# EAGLE board Mk4 Final a Panel score (EAGLE 9.0.1), part 10 of 24
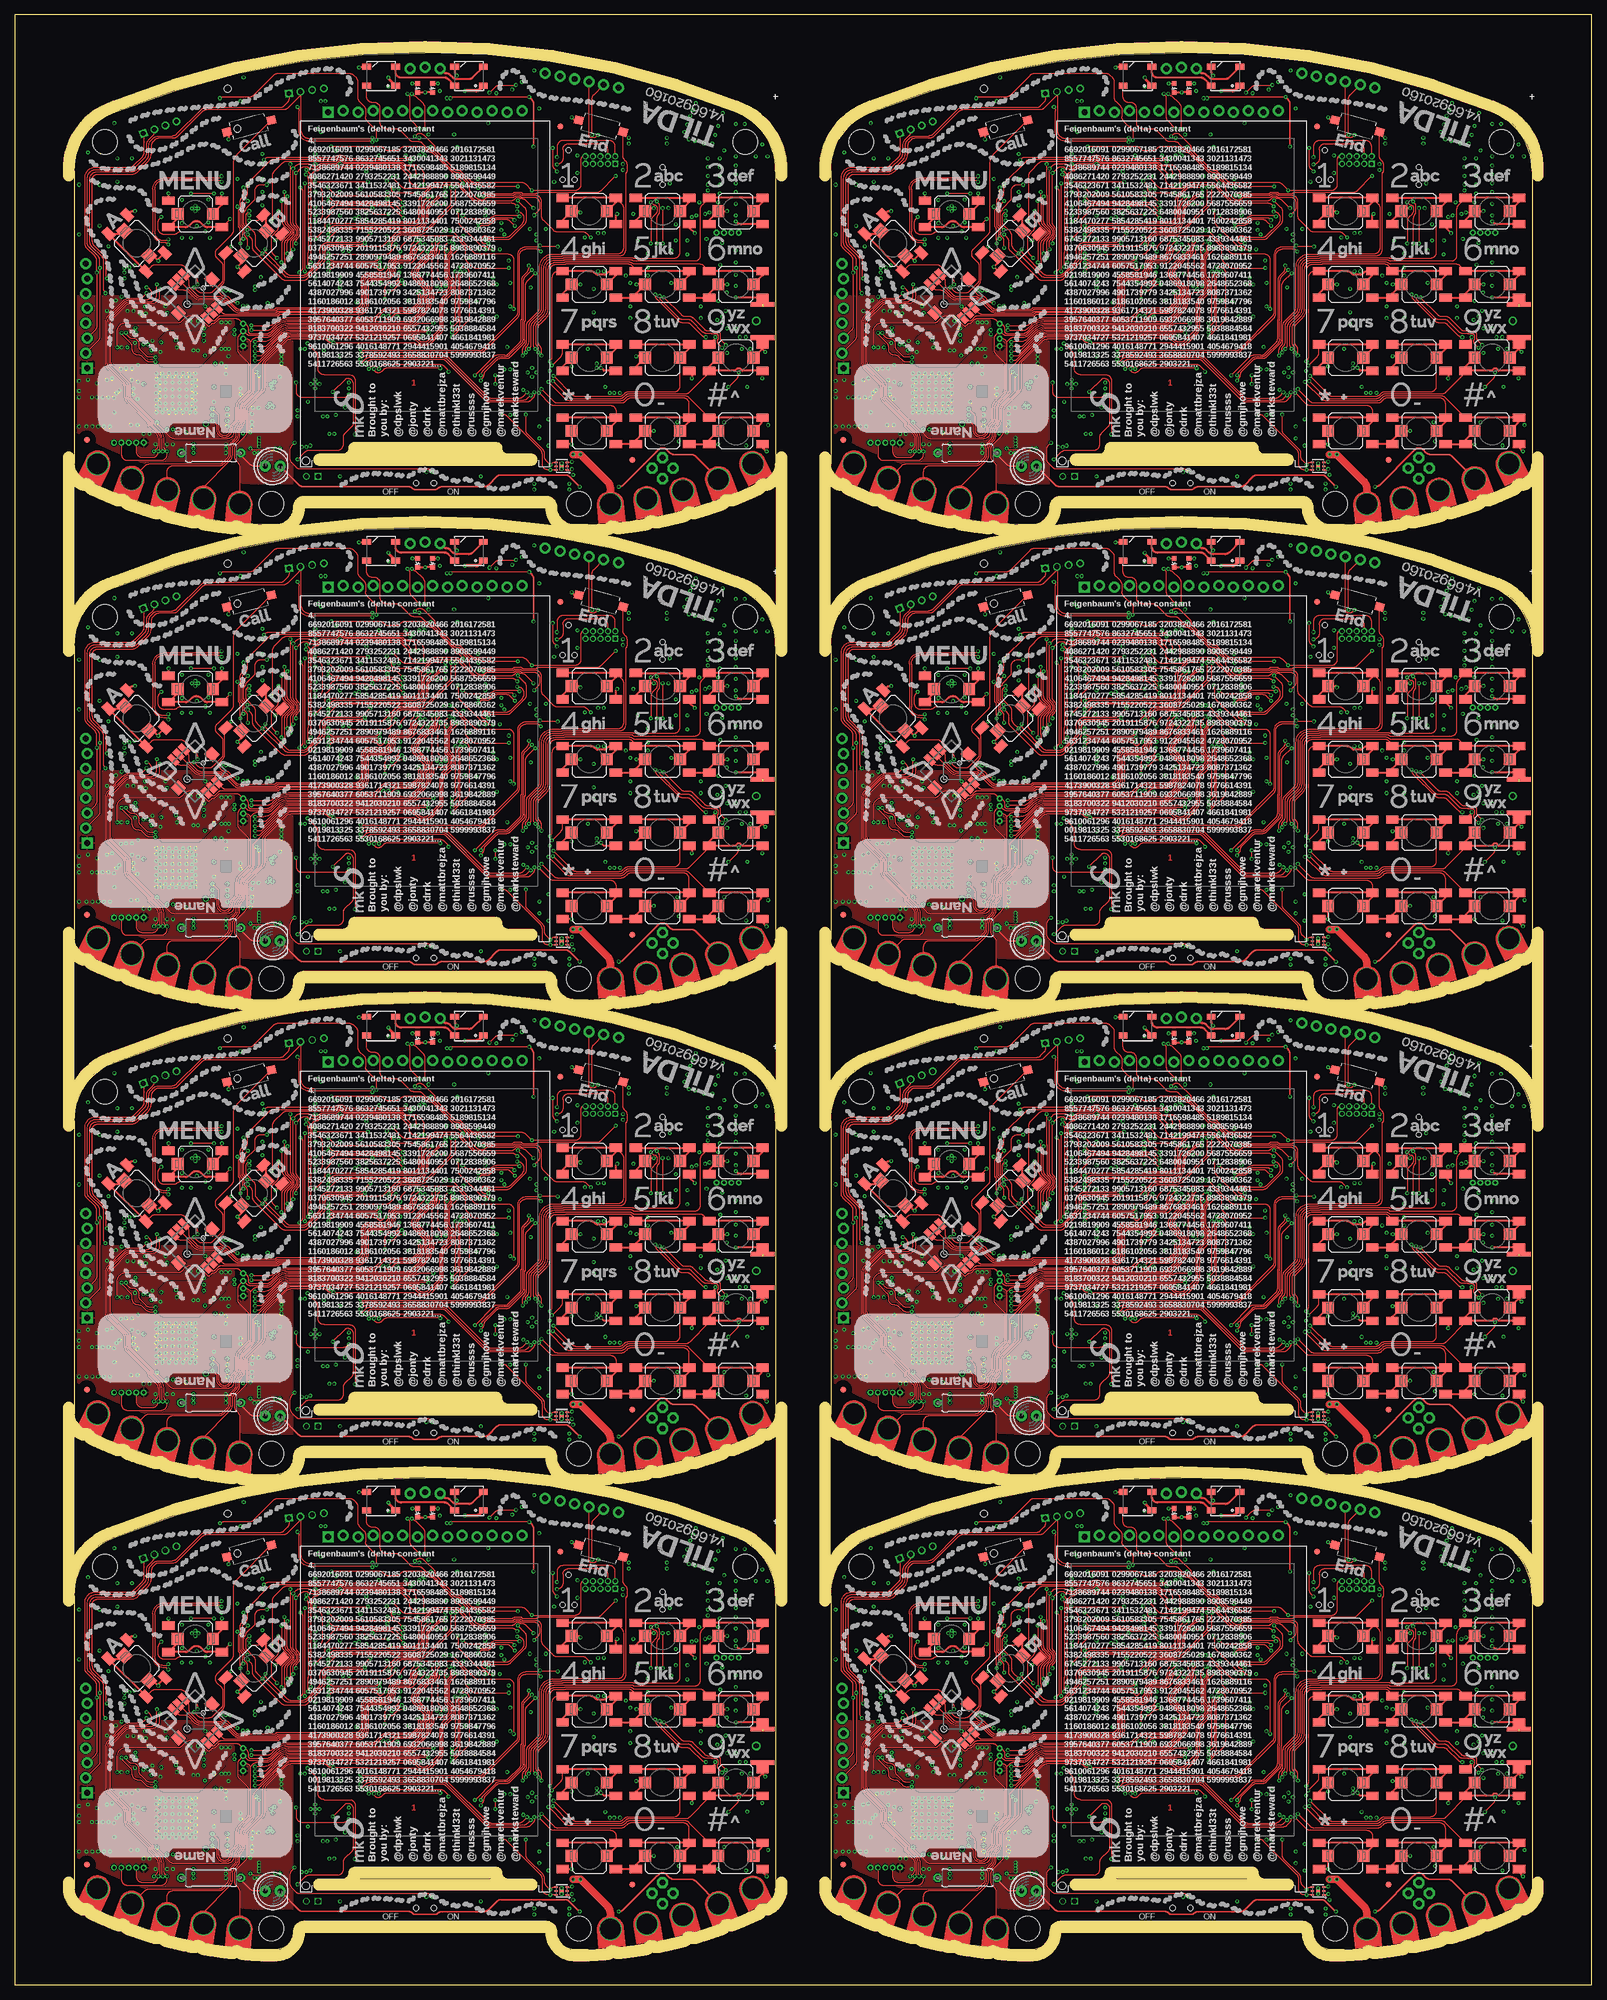
[diagram p0: board, top side]
## Tracks (layer width: path | path; a pad name or v marks a point on that pad's centre or on a via) (continued)
DCDC_PA_SW_N3 (continued)
  Bottom 0.25: IC65.41 156.75,115.29 arc-45 157.04,115.99 157.75,116.7
  Bottom 0.3: 157.75,116.7 157.75,116.76 158,117.01 158,119 158.1,119.1
  Bottom 0.5: 158.1,119.1 158.1,120.59 arc45 157.95,120.95 157.3,121.6 L35.1
DCDC_PA_SW_N4
  Bottom 0.25: IC83.41 27.75,196.29 arc-45 28.04,196.99 28.75,197.7
  Bottom 0.3: 28.75,197.7 28.75,197.76 29,198.01 29,200 29.1,200.1
  Bottom 0.5: 29.1,200.1 29.1,201.59 arc45 28.95,201.95 28.3,202.6 L44.1
DCDC_PA_SW_N5
  Bottom 0.25: IC101.41 156.75,196.29 arc-45 157.04,196.99 157.75,197.7
  Bottom 0.3: 157.75,197.7 157.75,197.76 158,198.01 158,200 158.1,200.1
  Bottom 0.5: 158.1,200.1 158.1,201.59 arc45 157.95,201.95 157.3,202.6 L53.1
DCDC_PA_SW_N6
  Bottom 0.25: IC119.41 27.75,277.29 arc-45 28.04,277.99 28.75,278.7
  Bottom 0.3: 28.75,278.7 28.75,278.76 29,279.01 29,281 29.1,281.1
  Bottom 0.5: 29.1,281.1 29.1,282.59 arc45 28.95,282.95 28.3,283.6 L62.1
DCDC_PA_SW_N7
  Bottom 0.25: IC137.41 156.75,277.29 arc-45 157.04,277.99 157.75,278.7
  Bottom 0.3: 157.75,278.7 157.75,278.76 158,279.01 158,281 158.1,281.1
  Bottom 0.5: 158.1,281.1 158.1,282.59 arc45 157.95,282.95 157.3,283.6 L71.1
DCDC_PA_SW_P
  Bottom 0.25: IC15.40 27.25,34.55 arc-45 27.54,35.26 28.25,35.97 28.45,36.17
  Bottom 0.4: L8.2 28.45,38.4 28.45,36.17
DCDC_PA_SW_P1
  Bottom 0.25: IC29.40 156.25,34.55 arc-45 156.54,35.26 157.25,35.97 157.45,36.17
  Bottom 0.4: L17.2 157.45,38.4 157.45,36.17
DCDC_PA_SW_P2
  Bottom 0.25: IC47.40 27.25,115.55 arc-45 27.54,116.26 28.25,116.97 28.45,117.17
  Bottom 0.4: L26.2 28.45,119.4 28.45,117.17
DCDC_PA_SW_P3
  Bottom 0.25: IC65.40 156.25,115.55 arc-45 156.54,116.26 157.25,116.97 157.45,117.17
  Bottom 0.4: L35.2 157.45,119.4 157.45,117.17
DCDC_PA_SW_P4
  Bottom 0.25: IC83.40 27.25,196.55 arc-45 27.54,197.26 28.25,197.97 28.45,198.17
  Bottom 0.4: L44.2 28.45,200.4 28.45,198.17
DCDC_PA_SW_P5
  Bottom 0.25: IC101.40 156.25,196.55 arc-45 156.54,197.26 157.25,197.97 157.45,198.17
  Bottom 0.4: L53.2 157.45,200.4 157.45,198.17
DCDC_PA_SW_P6
  Bottom 0.25: IC119.40 27.25,277.55 arc-45 27.54,278.26 28.25,278.97 28.45,279.17
  Bottom 0.4: L62.2 28.45,281.4 28.45,279.17
DCDC_PA_SW_P7
  Bottom 0.25: IC137.40 156.25,277.55 arc-45 156.54,278.26 157.25,278.97 157.45,279.17
  Bottom 0.4: L71.2 157.45,281.4 157.45,279.17
EN0RXI_N
  Bottom 0.22: IC1.53 61.41,60.8 61.4,60.81 59.1,60.81 arc-90 56.81,63.1 56.81,63.3 56.81,70.8 arc-90 60.2,74.19 66.3,74.19 arc90 67.22,75.1 67.22,75.6 JP7.6
EN0RXI_N1
  Bottom 0.22: IC20.53 190.42,60.8 190.4,60.81 188.1,60.81 arc-90 185.81,63.1 185.81,63.3 185.81,70.8 arc-90 189.2,74.19 195.3,74.19 arc90 196.22,75.1 196.22,75.6 JP12.6
EN0RXI_N2
  Bottom 0.22: IC38.53 61.41,141.8 61.4,141.81 59.1,141.81 arc-90 56.81,144.1 56.81,144.3 56.81,151.8 arc-90 60.2,155.19 66.3,155.19 arc90 67.22,156.1 67.22,156.6 JP21.6
EN0RXI_N3
  Bottom 0.22: IC56.53 190.42,141.8 190.4,141.81 188.1,141.81 arc-90 185.81,144.1 185.81,144.3 185.81,151.8 arc-90 189.2,155.19 195.3,155.19 arc90 196.22,156.1 196.22,156.6 JP30.6
EN0RXI_N4
  Bottom 0.22: IC74.53 61.41,222.8 61.4,222.81 59.1,222.81 arc-90 56.81,225.1 56.81,225.3 56.81,232.8 arc-90 60.2,236.19 66.3,236.19 arc90 67.22,237.1 67.22,237.6 JP39.6
EN0RXI_N5
  Bottom 0.22: IC92.53 190.42,222.8 190.4,222.81 188.1,222.81 arc-90 185.81,225.1 185.81,225.3 185.81,232.8 arc-90 189.2,236.19 195.3,236.19 arc90 196.22,237.1 196.22,237.6 JP48.6
EN0RXI_N6
  Bottom 0.22: IC110.53 61.41,303.8 61.4,303.81 59.1,303.81 arc-90 56.81,306.1 56.81,306.3 56.81,313.8 arc-90 60.2,317.19 66.3,317.19 arc90 67.22,318.1 67.22,318.6 JP57.6
EN0RXI_N7
  Bottom 0.22: IC128.53 190.42,303.8 190.4,303.81 188.1,303.81 arc-90 185.81,306.1 185.81,306.3 185.81,313.8 arc-90 189.2,317.19 195.3,317.19 arc90 196.22,318.1 196.22,318.6 JP66.6
EN0RXI_P
  Bottom 0.22: IC1.54 61.41,61.2 61.4,61.19 59.1,61.19 arc-90 57.19,63.1 57.19,63.28 57.19,63.3 57.19,70.8 arc-90 60.2,73.81 66.3,73.81 arc90 67.58,75.1 67.58,75.23 JP7.7
EN0RXI_P1
  Bottom 0.22: IC20.54 190.42,61.2 190.4,61.19 188.1,61.19 arc-90 186.19,63.1 186.19,63.28 186.19,63.3 186.19,70.8 arc-90 189.2,73.81 195.3,73.81 arc90 196.58,75.1 196.58,75.23 JP12.7
EN0RXI_P2
  Bottom 0.22: IC38.54 61.41,142.2 61.4,142.19 59.1,142.19 arc-90 57.19,144.1 57.19,144.28 57.19,144.3 57.19,151.8 arc-90 60.2,154.81 66.3,154.81 arc90 67.58,156.1 67.58,156.23 JP21.7
EN0RXI_P3
  Bottom 0.22: IC56.54 190.42,142.2 190.4,142.19 188.1,142.19 arc-90 186.19,144.1 186.19,144.28 186.19,144.3 186.19,151.8 arc-90 189.2,154.81 195.3,154.81 arc90 196.58,156.1 196.58,156.23 JP30.7
EN0RXI_P4
  Bottom 0.22: IC74.54 61.41,223.2 61.4,223.19 59.1,223.19 arc-90 57.19,225.1 57.19,225.28 57.19,225.3 57.19,232.8 arc-90 60.2,235.81 66.3,235.81 arc90 67.58,237.1 67.58,237.23 JP39.7
EN0RXI_P5
  Bottom 0.22: IC92.54 190.42,223.2 190.4,223.19 188.1,223.19 arc-90 186.19,225.1 186.19,225.28 186.19,225.3 186.19,232.8 arc-90 189.2,235.81 195.3,235.81 arc90 196.58,237.1 196.58,237.23 JP48.7
EN0RXI_P6
  Bottom 0.22: IC110.54 61.41,304.2 61.4,304.19 59.1,304.19 arc-90 57.19,306.1 57.19,306.28 57.19,306.3 57.19,313.8 arc-90 60.2,316.81 66.3,316.81 arc90 67.58,318.1 67.58,318.23 JP57.7
EN0RXI_P7
  Bottom 0.22: IC128.54 190.42,304.2 190.4,304.19 188.1,304.19 arc-90 186.19,306.1 186.19,306.28 186.19,306.3 186.19,313.8 arc-90 189.2,316.81 195.3,316.81 arc90 196.58,318.1 196.58,318.23 JP66.7
EN0TXO_N
  Bottom 0.22: IC1.56 61.41,62 61.4,62.02 59.25,62.02 arc-90 57.87,63.4 57.87,70.45 arc-90 60.6,73.19 66.61,73.19 arc45 67.32,73.48 68.53,74.69 arc-45 69.24,74.98 76.36,74.98 arc-45 77.07,74.69 78.03,73.73 arc45 78.74,73.44 81.15,73.44 arc90 82.52,74.8 82.52,75.54 JP7.12
EN0TXO_N1
  Bottom 0.22: IC20.56 190.42,62 190.4,62.02 188.25,62.02 arc-90 186.87,63.4 186.87,70.45 arc-90 189.6,73.19 195.61,73.19 arc45 196.32,73.48 197.53,74.69 arc-45 198.24,74.98 205.36,74.98 arc-45 206.07,74.69 207.03,73.73 arc45 207.74,73.44 210.15,73.44 arc90 211.51,74.8 211.51,75.54 JP12.12
EN0TXO_N2
  Bottom 0.22: IC38.56 61.41,143 61.4,143.01 59.25,143.01 arc-90 57.87,144.4 57.87,151.45 arc-90 60.6,154.19 66.61,154.19 arc45 67.32,154.48 68.53,155.69 arc-45 69.24,155.99 76.36,155.99 arc-45 77.07,155.69 78.03,154.73 arc45 78.74,154.44 81.15,154.44 arc90 82.52,155.8 82.52,156.54 JP21.12
EN0TXO_N3
  Bottom 0.22: IC56.56 190.42,143 190.4,143.01 188.25,143.01 arc-90 186.87,144.4 186.87,151.45 arc-90 189.6,154.19 195.61,154.19 arc45 196.32,154.48 197.53,155.69 arc-45 198.24,155.99 205.36,155.99 arc-45 206.07,155.69 207.03,154.73 arc45 207.74,154.44 210.15,154.44 arc90 211.51,155.8 211.51,156.54 JP30.12
EN0TXO_N4
  Bottom 0.22: IC74.56 61.41,224 61.4,224.01 59.25,224.01 arc-90 57.87,225.4 57.87,232.45 arc-90 60.6,235.19 66.61,235.19 arc45 67.32,235.48 68.53,236.69 arc-45 69.24,236.99 76.36,236.99 arc-45 77.07,236.69 78.03,235.73 arc45 78.74,235.44 81.15,235.44 arc90 82.52,236.8 82.52,237.54 JP39.12
EN0TXO_N5
  Bottom 0.22: IC92.56 190.42,224 190.4,224.01 188.25,224.01 arc-90 186.87,225.4 186.87,232.45 arc-90 189.6,235.19 195.61,235.19 arc45 196.32,235.48 197.53,236.69 arc-45 198.24,236.99 205.36,236.99 arc-45 206.07,236.69 207.03,235.73 arc45 207.74,235.44 210.15,235.44 arc90 211.51,236.8 211.51,237.54 JP48.12
EN0TXO_N6
  Bottom 0.22: IC110.56 61.41,305 61.4,305.01 59.25,305.01 arc-90 57.87,306.4 57.87,313.45 arc-90 60.6,316.19 66.61,316.19 arc45 67.32,316.48 68.53,317.69 arc-45 69.24,317.99 76.36,317.99 arc-45 77.07,317.69 78.03,316.73 arc45 78.74,316.44 81.15,316.44 arc90 82.52,317.8 82.52,318.54 JP57.12
EN0TXO_N7
  Bottom 0.22: IC128.56 190.42,305 190.4,305.01 188.25,305.01 arc-90 186.87,306.4 186.87,313.45 arc-90 189.6,316.19 195.61,316.19 arc45 196.32,316.48 197.53,317.69 arc-45 198.24,317.99 205.36,317.99 arc-45 206.07,317.69 207.03,316.73 arc45 207.74,316.44 210.15,316.44 arc90 211.51,317.8 211.51,318.54 JP66.12
EN0TXO_P
  Bottom 0.22: IC1.57 61.41,62.4 61.4,62.38 59.25,62.38 arc-90 58.23,63.4 58.23,63.9 58.23,64 58.23,64.08 58.23,70.45 arc-90 60.6,72.81 66.76,72.81 arc45 67.47,73.11 68.68,74.32 arc-45 69.39,74.61 76.21,74.61 arc-45 76.92,74.32 77.88,73.36 arc45 78.59,73.06 81.15,73.06 arc90 82.89,74.8 82.89,75.29 JP7.13
EN0TXO_P1
  Bottom 0.22: IC20.57 190.42,62.4 190.4,62.38 188.25,62.38 arc-90 187.24,63.4 187.24,63.9 187.24,64 187.24,64.08 187.24,70.45 arc-90 189.6,72.81 195.76,72.81 arc45 196.47,73.11 197.68,74.32 arc-45 198.39,74.61 205.21,74.61 arc-45 205.92,74.32 206.88,73.36 arc45 207.59,73.06 210.15,73.06 arc90 211.88,74.8 211.88,75.29 JP12.13
EN0TXO_P2
  Bottom 0.22: IC38.57 61.41,143.4 61.4,143.38 59.25,143.38 arc-90 58.23,144.4 58.23,144.9 58.23,145 58.23,145.08 58.23,151.45 arc-90 60.6,153.81 66.76,153.81 arc45 67.47,154.11 68.68,155.32 arc-45 69.39,155.62 76.21,155.62 arc-45 76.92,155.32 77.88,154.36 arc45 78.59,154.06 81.15,154.06 arc90 82.89,155.8 82.89,156.29 JP21.13
EN0TXO_P3
  Bottom 0.22: IC56.57 190.42,143.4 190.4,143.38 188.25,143.38 arc-90 187.24,144.4 187.24,144.9 187.24,145 187.24,145.08 187.24,151.45 arc-90 189.6,153.81 195.76,153.81 arc45 196.47,154.11 197.68,155.32 arc-45 198.39,155.62 205.21,155.62 arc-45 205.92,155.32 206.88,154.36 arc45 207.59,154.06 210.15,154.06 arc90 211.88,155.8 211.88,156.29 JP30.13
EN0TXO_P4
  Bottom 0.22: IC74.57 61.41,224.4 61.4,224.38 59.25,224.38 arc-90 58.23,225.4 58.23,225.9 58.23,226 58.23,226.08 58.23,232.45 arc-90 60.6,234.81 66.76,234.81 arc45 67.47,235.11 68.68,236.32 arc-45 69.39,236.62 76.21,236.62 arc-45 76.92,236.32 77.88,235.36 arc45 78.59,235.06 81.15,235.06 arc90 82.89,236.8 82.89,237.29 JP39.13
EN0TXO_P5
  Bottom 0.22: IC92.57 190.42,224.4 190.4,224.38 188.25,224.38 arc-90 187.24,225.4 187.24,225.9 187.24,226 187.24,226.08 187.24,232.45 arc-90 189.6,234.81 195.76,234.81 arc45 196.47,235.11 197.68,236.32 arc-45 198.39,236.62 205.21,236.62 arc-45 205.92,236.32 206.88,235.36 arc45 207.59,235.06 210.15,235.06 arc90 211.88,236.8 211.88,237.29 JP48.13
EN0TXO_P6
  Bottom 0.22: IC110.57 61.41,305.4 61.4,305.38 59.25,305.38 arc-90 58.23,306.4 58.23,306.9 58.23,307 58.23,307.08 58.23,313.45 arc-90 60.6,315.81 66.76,315.81 arc45 67.47,316.11 68.68,317.32 arc-45 69.39,317.62 76.21,317.62 arc-45 76.92,317.32 77.88,316.36 arc45 78.59,316.06 81.15,316.06 arc90 82.89,317.8 82.89,318.29 JP57.13
EN0TXO_P7
  Bottom 0.22: IC128.57 190.42,305.4 190.4,305.38 188.25,305.38 arc-90 187.24,306.4 187.24,306.9 187.24,307 187.24,307.08 187.24,313.45 arc-90 189.6,315.81 195.76,315.81 arc45 196.47,316.11 197.68,317.32 arc-45 198.39,317.62 205.21,317.62 arc-45 205.92,317.32 206.88,316.36 arc45 207.59,316.06 210.15,316.06 arc90 211.88,317.8 211.88,318.29 JP66.13
ETHLED0
  Bottom 0.15: R1.2 54.5,72.51 arc45 54.79,71.81 55.51,71.09 arc-45 55.8,70.39 55.8,67.94 55.89,67.85 arc-90 55.89,67.15 55.8,67.06 55.8,63.19 55.89,63.1 arc-90 55.89,62.4 55.8,62.31 55.8,60.11 arc45 56.09,59.41 56.61,58.89 arc-45 56.9,58.19 56.9,57.4 arc90 57.9,56.4 IC1.42
ETHLED0_R
  Bottom 0.15: R1.1 arc-90 55.5,75 57.09,75 arc45 57.79,75.29 58.57,76.07 JP7.3
ETHLED0_R1
  Bottom 0.15: R85.1 arc-90 184.5,75 186.09,75 arc45 186.79,75.29 187.57,76.07 JP12.3
ETHLED0_R2
  Bottom 0.15: R163.1 arc-90 55.5,156 57.09,156 arc45 57.79,156.29 58.57,157.07 JP21.3
ETHLED0_R3
  Bottom 0.15: R241.1 arc-90 184.5,156 186.09,156 arc45 186.79,156.29 187.57,157.07 JP30.3
ETHLED0_R4
  Bottom 0.15: R319.1 arc-90 55.5,237 57.09,237 arc45 57.79,237.29 58.57,238.07 JP39.3
ETHLED0_R5
  Bottom 0.15: R397.1 arc-90 184.5,237 186.09,237 arc45 186.79,237.29 187.57,238.07 JP48.3
ETHLED0_R6
  Bottom 0.15: R475.1 arc-90 55.5,318 57.09,318 arc45 57.79,318.29 58.57,319.07 JP57.3
ETHLED0_R7
  Bottom 0.15: R553.1 arc-90 184.5,318 186.09,318 arc45 186.79,318.29 187.57,319.07 JP66.3
ETHLED1
  Bottom 0.15: R2.2 55.5,72.01 arc45 55.79,71.31 55.81,71.29 arc-45 56.1,70.59 56.1,68.07 56.14,68.03 arc-90 56.14,66.97 56.1,66.93 56.1,63.32 56.14,63.28 arc-90 56.14,62.22 56.1,62.18 56.1,60.31 arc45 56.39,59.61 57.01,58.99 arc-45 57.3,58.29 57.3,57.8 arc90 58.3,56.8 IC1.43
ETHLED1_R
  Bottom 0.15: R2.1 55.5,74.2 arc-90 56,74.7 57.42,74.7 arc45 57.77,74.85 57.78,74.85 arc-45 58.13,75 62.09,75 arc45 62.79,75.29 63.65,76.15 JP7.5
ETHLED1_R1
  Bottom 0.15: R86.1 184.5,74.2 arc-90 185,74.7 186.42,74.7 arc45 186.77,74.85 186.78,74.85 arc-45 187.13,75 191.09,75 arc45 191.79,75.29 192.65,76.15 JP12.5
ETHLED1_R2
  Bottom 0.15: R164.1 55.5,155.2 arc-90 56,155.7 57.42,155.7 arc45 57.77,155.85 57.78,155.85 arc-45 58.13,156 62.09,156 arc45 62.79,156.29 63.65,157.15 JP21.5
ETHLED1_R3
  Bottom 0.15: R242.1 184.5,155.2 arc-90 185,155.7 186.42,155.7 arc45 186.77,155.85 186.78,155.85 arc-45 187.13,156 191.09,156 arc45 191.79,156.29 192.65,157.15 JP30.5
ETHLED1_R4
  Bottom 0.15: R320.1 55.5,236.2 arc-90 56,236.7 57.42,236.7 arc45 57.77,236.85 57.78,236.85 arc-45 58.13,237 62.09,237 arc45 62.79,237.29 63.65,238.15 JP39.5
ETHLED1_R5
  Bottom 0.15: R398.1 184.5,236.2 arc-90 185,236.7 186.42,236.7 arc45 186.77,236.85 186.78,236.85 arc-45 187.13,237 191.09,237 arc45 191.79,237.29 192.65,238.15 JP48.5
ETHLED1_R6
  Bottom 0.15: R476.1 55.5,317.2 arc-90 56,317.7 57.42,317.7 arc45 57.77,317.85 57.78,317.85 arc-45 58.13,318 62.09,318 arc45 62.79,318.29 63.65,319.15 JP57.5
ETHLED1_R7
  Bottom 0.15: R554.1 184.5,317.2 arc-90 185,317.7 186.42,317.7 arc45 186.77,317.85 186.78,317.85 arc-45 187.13,318 191.09,318 arc45 191.79,318.29 192.65,319.15 JP66.5
ETHLED2
  Bottom 0.15: R85.2 183.5,72.51 arc45 183.79,71.81 184.51,71.09 arc-45 184.8,70.39 184.8,67.94 184.89,67.85 arc-90 184.89,67.15 184.8,67.06 184.8,63.19 184.89,63.1 arc-90 184.89,62.4 184.8,62.31 184.8,60.11 arc45 185.09,59.41 185.61,58.89 arc-45 185.9,58.19 185.9,57.4 arc90 186.9,56.4 IC20.42
ETHLED3
  Bottom 0.15: R86.2 184.5,72.01 arc45 184.79,71.31 184.81,71.29 arc-45 185.1,70.59 185.1,68.07 185.14,68.03 arc-90 185.14,66.97 185.1,66.93 185.1,63.32 185.14,63.28 arc-90 185.14,62.22 185.1,62.18 185.1,60.31 arc45 185.39,59.61 186.01,58.99 arc-45 186.3,58.29 186.3,57.8 arc90 187.3,56.8 IC20.43
ETHLED4
  Bottom 0.15: R163.2 54.5,153.51 arc45 54.79,152.81 55.51,152.09 arc-45 55.8,151.39 55.8,148.94 55.89,148.85 arc-90 55.89,148.15 55.8,148.06 55.8,144.19 55.89,144.1 arc-90 55.89,143.4 55.8,143.31 55.8,141.11 arc45 56.09,140.41 56.61,139.89 arc-45 56.9,139.19 56.9,138.4 arc90 57.9,137.4 IC38.42
ETHLED5
  Bottom 0.15: R164.2 55.5,153.01 arc45 55.79,152.31 55.81,152.29 arc-45 56.1,151.59 56.1,149.07 56.14,149.03 arc-90 56.14,147.97 56.1,147.93 56.1,144.32 56.14,144.28 arc-90 56.14,143.22 56.1,143.18 56.1,141.31 arc45 56.39,140.61 57.01,139.99 arc-45 57.3,139.29 57.3,138.8 arc90 58.3,137.8 IC38.43
ETHLED6
  Bottom 0.15: R241.2 183.5,153.51 arc45 183.79,152.81 184.51,152.09 arc-45 184.8,151.39 184.8,148.94 184.89,148.85 arc-90 184.89,148.15 184.8,148.06 184.8,144.19 184.89,144.1 arc-90 184.89,143.4 184.8,143.31 184.8,141.11 arc45 185.09,140.41 185.61,139.89 arc-45 185.9,139.19 185.9,138.4 arc90 186.9,137.4 IC56.42
ETHLED7
  Bottom 0.15: R242.2 184.5,153.01 arc45 184.79,152.31 184.81,152.29 arc-45 185.1,151.59 185.1,149.07 185.14,149.03 arc-90 185.14,147.97 185.1,147.93 185.1,144.32 185.14,144.28 arc-90 185.14,143.22 185.1,143.18 185.1,141.31 arc45 185.39,140.61 186.01,139.99 arc-45 186.3,139.29 186.3,138.8 arc90 187.3,137.8 IC56.43
ETHLED8
  Bottom 0.15: R319.2 54.5,234.51 arc45 54.79,233.81 55.51,233.09 arc-45 55.8,232.39 55.8,229.94 55.89,229.85 arc-90 55.89,229.15 55.8,229.06 55.8,225.19 55.89,225.1 arc-90 55.89,224.4 55.8,224.31 55.8,222.11 arc45 56.09,221.41 56.61,220.89 arc-45 56.9,220.19 56.9,219.4 arc90 57.9,218.4 IC74.42
ETHLED9
  Bottom 0.15: R320.2 55.5,234.01 arc45 55.79,233.31 55.81,233.29 arc-45 56.1,232.59 56.1,230.07 56.14,230.03 arc-90 56.14,228.97 56.1,228.93 56.1,225.32 56.14,225.28 arc-90 56.14,224.22 56.1,224.18 56.1,222.31 arc45 56.39,221.61 57.01,220.99 arc-45 57.3,220.29 57.3,219.8 arc90 58.3,218.8 IC74.43
ETHLED10
  Bottom 0.15: R397.2 183.5,234.51 arc45 183.79,233.81 184.51,233.09 arc-45 184.8,232.39 184.8,229.94 184.89,229.85 arc-90 184.89,229.15 184.8,229.06 184.8,225.19 184.89,225.1 arc-90 184.89,224.4 184.8,224.31 184.8,222.11 arc45 185.09,221.41 185.61,220.89 arc-45 185.9,220.19 185.9,219.4 arc90 186.9,218.4 IC92.42
ETHLED11
  Bottom 0.15: R398.2 184.5,234.01 arc45 184.79,233.31 184.81,233.29 arc-45 185.1,232.59 185.1,230.07 185.14,230.03 arc-90 185.14,228.97 185.1,228.93 185.1,225.32 185.14,225.28 arc-90 185.14,224.22 185.1,224.18 185.1,222.31 arc45 185.39,221.61 186.01,220.99 arc-45 186.3,220.29 186.3,219.8 arc90 187.3,218.8 IC92.43
ETHLED12
  Bottom 0.15: R475.2 54.5,315.51 arc45 54.79,314.81 55.51,314.09 arc-45 55.8,313.39 55.8,310.94 55.89,310.85 arc-90 55.89,310.15 55.8,310.06 55.8,306.19 55.89,306.1 arc-90 55.89,305.4 55.8,305.31 55.8,303.11 arc45 56.09,302.41 56.61,301.89 arc-45 56.9,301.19 56.9,300.4 arc90 57.9,299.4 IC110.42
ETHLED13
  Bottom 0.15: R476.2 55.5,315.01 arc45 55.79,314.31 55.81,314.29 arc-45 56.1,313.59 56.1,311.07 56.14,311.03 arc-90 56.14,309.97 56.1,309.93 56.1,306.32 56.14,306.28 arc-90 56.14,305.22 56.1,305.18 56.1,303.31 arc45 56.39,302.61 57.01,301.99 arc-45 57.3,301.29 57.3,300.8 arc90 58.3,299.8 IC110.43
ETHLED14
  Bottom 0.15: R553.2 183.5,315.51 arc45 183.79,314.81 184.51,314.09 arc-45 184.8,313.39 184.8,310.94 184.89,310.85 arc-90 184.89,310.15 184.8,310.06 184.8,306.19 184.89,306.1 arc-90 184.89,305.4 184.8,305.31 184.8,303.11 arc45 185.09,302.41 185.61,301.89 arc-45 185.9,301.19 185.9,300.4 arc90 186.9,299.4 IC128.42
ETHLED15
  Bottom 0.15: R554.2 184.5,315.01 arc45 184.79,314.31 184.81,314.29 arc-45 185.1,313.59 185.1,311.07 185.14,311.03 arc-90 185.14,309.97 185.1,309.93 185.1,306.32 185.14,306.28 arc-90 185.14,305.22 185.1,305.18 185.1,303.31 arc45 185.39,302.61 186.01,301.99 arc-45 186.3,301.29 186.3,300.8 arc90 187.3,299.8 IC128.43
FET
  Bottom 0.15: IC1.110 78.78,60 arc45 78.85,60.03 79.09,60.27 arc-45 79.17,60.3 81.58,60.3 arc-90 83.58,58.3 83.58,56.38 arc45 83.72,56.02 83.88,55.86 arc-45 84.03,55.51 84.03,55.25 arc45 84.32,54.54 93.23,45.63 arc-45 93.5,44.98 93.5,44
  Bottom 0.2: R59.1 113.41,19.25 arc-45 112.71,19.54 104.79,27.46 arc45 104.09,27.75 99.11,27.75 arc-45 98.41,28.04 93.79,32.66 arc-45 93.5,33.36 93.5,44
  Bottom 0.3: Q2.1 114.92,19.25 R59.1
FET1
  Bottom 0.15: IC20.110 207.78,60 arc45 207.85,60.03 208.09,60.27 arc-45 208.17,60.3 210.57,60.3 arc-90 212.57,58.3 212.57,56.38 arc45 212.72,56.02 212.88,55.86 arc-45 213.03,55.51 213.03,55.25 arc45 213.32,54.54 222.23,45.63 arc-45 222.5,44.98 222.5,44
  Bottom 0.2: R137.1 242.41,19.25 arc-45 241.71,19.54 233.79,27.46 arc45 233.09,27.75 228.11,27.75 arc-45 227.41,28.04 222.79,32.66 arc-45 222.5,33.36 222.5,44
  Bottom 0.3: Q5.1 243.93,19.25 R137.1
FET2
  Bottom 0.15: IC38.110 78.78,141 arc45 78.85,141.03 79.09,141.27 arc-45 79.17,141.3 81.58,141.3 arc-90 83.58,139.3 83.58,137.38 arc45 83.72,137.02 83.88,136.86 arc-45 84.03,136.51 84.03,136.25 arc45 84.32,135.54 93.23,126.63 arc-45 93.5,125.98 93.5,125
  Bottom 0.2: R215.1 113.41,100.25 arc-45 112.71,100.54 104.79,108.46 arc45 104.09,108.75 99.11,108.75 arc-45 98.41,109.04 93.79,113.66 arc-45 93.5,114.36 93.5,125
  Bottom 0.3: Q10.1 114.92,100.25 R215.1
FET3
  Bottom 0.15: IC56.110 207.78,141 arc45 207.85,141.03 208.09,141.27 arc-45 208.17,141.3 210.57,141.3 arc-90 212.57,139.3 212.57,137.38 arc45 212.72,137.02 212.88,136.86 arc-45 213.03,136.51 213.03,136.25 arc45 213.32,135.54 222.23,126.63 arc-45 222.5,125.98 222.5,125
  Bottom 0.2: R293.1 242.41,100.25 arc-45 241.71,100.54 233.79,108.46 arc45 233.09,108.75 228.11,108.75 arc-45 227.41,109.04 222.79,113.66 arc-45 222.5,114.36 222.5,125
  Bottom 0.3: Q14.1 243.93,100.25 R293.1
FET4
  Bottom 0.15: IC74.110 78.78,222 arc45 78.85,222.03 79.09,222.27 arc-45 79.17,222.3 81.58,222.3 arc-90 83.58,220.3 83.58,218.38 arc45 83.72,218.02 83.88,217.86 arc-45 84.03,217.51 84.03,217.25 arc45 84.32,216.54 93.23,207.63 arc-45 93.5,206.98 93.5,206
  Bottom 0.2: R371.1 113.41,181.25 arc-45 112.71,181.54 104.79,189.46 arc45 104.09,189.75 99.11,189.75 arc-45 98.41,190.04 93.79,194.66 arc-45 93.5,195.36 93.5,206
  Bottom 0.3: Q18.1 114.92,181.25 R371.1
FET5
  Bottom 0.15: IC92.110 207.78,222 arc45 207.85,222.03 208.09,222.27 arc-45 208.17,222.3 210.57,222.3 arc-90 212.57,220.3 212.57,218.38 arc45 212.72,218.02 212.88,217.86 arc-45 213.03,217.51 213.03,217.25 arc45 213.32,216.54 222.23,207.63 arc-45 222.5,206.98 222.5,206
  Bottom 0.2: R449.1 242.41,181.25 arc-45 241.71,181.54 233.79,189.46 arc45 233.09,189.75 228.11,189.75 arc-45 227.41,190.04 222.79,194.66 arc-45 222.5,195.36 222.5,206
  Bottom 0.3: Q22.1 243.93,181.25 R449.1
FET6
  Bottom 0.15: IC110.110 78.78,303 arc45 78.85,303.03 79.09,303.27 arc-45 79.17,303.3 81.58,303.3 arc-90 83.58,301.3 83.58,299.38 arc45 83.72,299.02 83.88,298.86 arc-45 84.03,298.51 84.03,298.25 arc45 84.32,297.54 93.23,288.63 arc-45 93.5,287.98 93.5,287
  Bottom 0.2: R527.1 113.41,262.25 arc-45 112.71,262.54 104.79,270.46 arc45 104.09,270.75 99.11,270.75 arc-45 98.41,271.04 93.79,275.66 arc-45 93.5,276.36 93.5,287
  Bottom 0.3: Q26.1 114.92,262.25 R527.1
FET7
  Bottom 0.15: IC128.110 207.78,303 arc45 207.85,303.03 208.09,303.27 arc-45 208.17,303.3 210.57,303.3 arc-90 212.57,301.3 212.57,299.38 arc45 212.72,299.02 212.88,298.86 arc-45 213.03,298.51 213.03,298.25 arc45 213.32,297.54 222.23,288.63 arc-45 222.5,287.98 222.5,287
  Bottom 0.2: R605.1 242.41,262.25 arc-45 241.71,262.54 233.79,270.46 arc45 233.09,270.75 228.11,270.75 arc-45 227.41,271.04 222.79,275.66 arc-45 222.5,276.36 222.5,287
  Bottom 0.3: Q30.1 243.93,262.25 R605.1
FET_OUT  (via drill 0.3)
  Top 0.25: LED5.K 48.45,12.82 arc45 49.16,12.53 67.11,12.53 arc-45 67.81,12.23 arc45 68.37,12 71.66,12 arc45 72.16,12.21 arc-45 72.87,12.5 80.09,12.5 arc45 80.79,12.79 82.21,14.21 arc-45 82.91,14.5 93.94,14.5 arc-45 94.64,14.21 v96.35,12.5 | v103,12.5 103.09,12.5 arc45 103.79,12.79 109.5,18.5 109.71,18.71 109.79,18.79 arc-90 111.21,18.79 111.71,18.29 arc45 112.41,18 115.4,18 arc-45 116.11,17.71 PCB.FET
  Bottom 0.25: v96.35,12.5 v103,12.5
  Bottom 0.4: Q2.3 116.92,17.3 arc45 117.22,16.59 118.91,14.91
  Bottom 0.5: 118.91,14.91 PCB.FET
FET_OUT1  (via drill 0.3)
  Top 0.25: LED11.K 177.45,12.82 arc45 178.16,12.53 196.11,12.53 arc-45 196.81,12.23 arc45 197.37,12 200.66,12 arc45 201.16,12.21 arc-45 201.87,12.5 209.09,12.5 arc45 209.79,12.79 211.21,14.21 arc-45 211.91,14.5 222.94,14.5 arc-45 223.64,14.21 v225.35,12.5 | v232,12.5 232.09,12.5 arc45 232.79,12.79 238.5,18.5 238.71,18.71 238.79,18.79 arc-90 240.21,18.79 240.71,18.29 arc45 241.41,18 244.4,18 arc-45 245.11,17.71 PCB1.FET
  Bottom 0.25: v225.35,12.5 v232,12.5
  Bottom 0.4: Q5.3 245.93,17.3 arc45 246.22,16.59 247.91,14.91
  Bottom 0.5: 247.91,14.91 PCB1.FET
FET_OUT2  (via drill 0.3)
  Top 0.25: LED17.K 48.45,93.82 arc45 49.16,93.53 67.11,93.53 arc-45 67.81,93.23 arc45 68.37,93 71.66,93 arc45 72.16,93.21 arc-45 72.87,93.5 80.09,93.5 arc45 80.79,93.79 82.21,95.21 arc-45 82.91,95.5 93.94,95.5 arc-45 94.64,95.21 v96.35,93.5 | v103,93.5 103.09,93.5 arc45 103.79,93.79 109.5,99.5 109.71,99.71 109.79,99.79 arc-90 111.21,99.79 111.71,99.29 arc45 112.41,99 115.4,99 arc-45 116.11,98.71 PCB2.FET
  Bottom 0.25: v96.35,93.5 v103,93.5
  Bottom 0.4: Q10.3 116.92,98.3 arc45 117.22,97.59 118.91,95.91
  Bottom 0.5: 118.91,95.91 PCB2.FET
FET_OUT3  (via drill 0.3)
  Top 0.25: LED23.K 177.45,93.82 arc45 178.16,93.53 196.11,93.53 arc-45 196.81,93.23 arc45 197.37,93 200.66,93 arc45 201.16,93.21 arc-45 201.87,93.5 209.09,93.5 arc45 209.79,93.79 211.21,95.21 arc-45 211.91,95.5 222.94,95.5 arc-45 223.64,95.21 v225.35,93.5 | v232,93.5 232.09,93.5 arc45 232.79,93.79 238.5,99.5 238.71,99.71 238.79,99.79 arc-90 240.21,99.79 240.71,99.29 arc45 241.41,99 244.4,99 arc-45 245.11,98.71 PCB3.FET
  Bottom 0.25: v225.35,93.5 v232,93.5
  Bottom 0.4: Q14.3 245.93,98.3 arc45 246.22,97.59 247.91,95.91
  Bottom 0.5: 247.91,95.91 PCB3.FET
FET_OUT4  (via drill 0.3)
  Top 0.25: LED29.K 48.45,174.82 arc45 49.16,174.53 67.11,174.53 arc-45 67.81,174.23 arc45 68.37,174 71.66,174 arc45 72.16,174.21 arc-45 72.87,174.5 80.09,174.5 arc45 80.79,174.79 82.21,176.21 arc-45 82.91,176.5 93.94,176.5 arc-45 94.64,176.21 v96.35,174.5 | v103,174.5 103.09,174.5 arc45 103.79,174.79 109.5,180.5 109.71,180.71 109.79,180.79 arc-90 111.21,180.79 111.71,180.29 arc45 112.41,180 115.4,180 arc-45 116.11,179.71 PCB4.FET
  Bottom 0.25: v96.35,174.5 v103,174.5
  Bottom 0.4: Q18.3 116.92,179.3 arc45 117.22,178.59 118.91,176.91
  Bottom 0.5: 118.91,176.91 PCB4.FET
FET_OUT5  (via drill 0.3)
  Top 0.25: LED35.K 177.45,174.82 arc45 178.16,174.53 196.11,174.53 arc-45 196.81,174.23 arc45 197.37,174 200.66,174 arc45 201.16,174.21 arc-45 201.87,174.5 209.09,174.5 arc45 209.79,174.79 211.21,176.21 arc-45 211.91,176.5 222.94,176.5 arc-45 223.64,176.21 v225.35,174.5 | v232,174.5 232.09,174.5 arc45 232.79,174.79 238.5,180.5 238.71,180.71 238.79,180.79 arc-90 240.21,180.79 240.71,180.29 arc45 241.41,180 244.4,180 arc-45 245.11,179.71 PCB5.FET